# Altium PCB old_PCB_Propu.PcbDoc
Units mil, origin at the board's own origin, x right, y up, seen from the top; angles counter-clockwise.
Board outline 2952.76 x 1755.91 mil, 2 copper layers (Top Layer, Bottom Layer); 37 components, 24 nets, 135 pads, 4 vias.
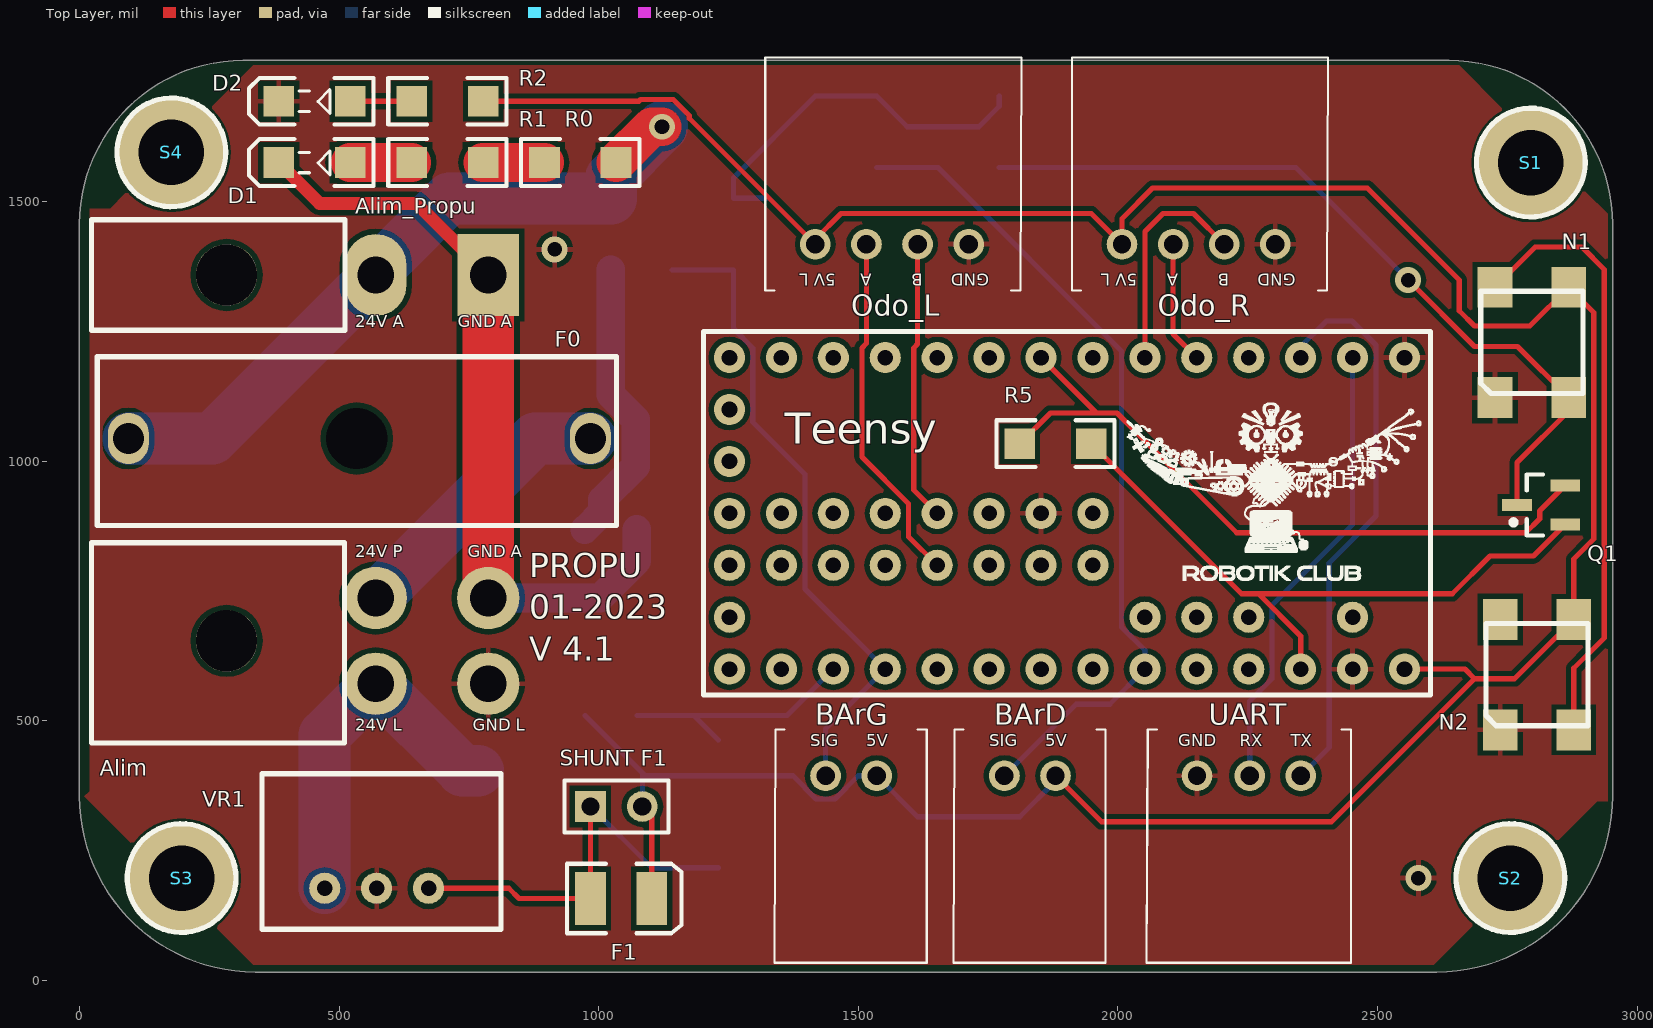
[diagram p0: Top Layer view]
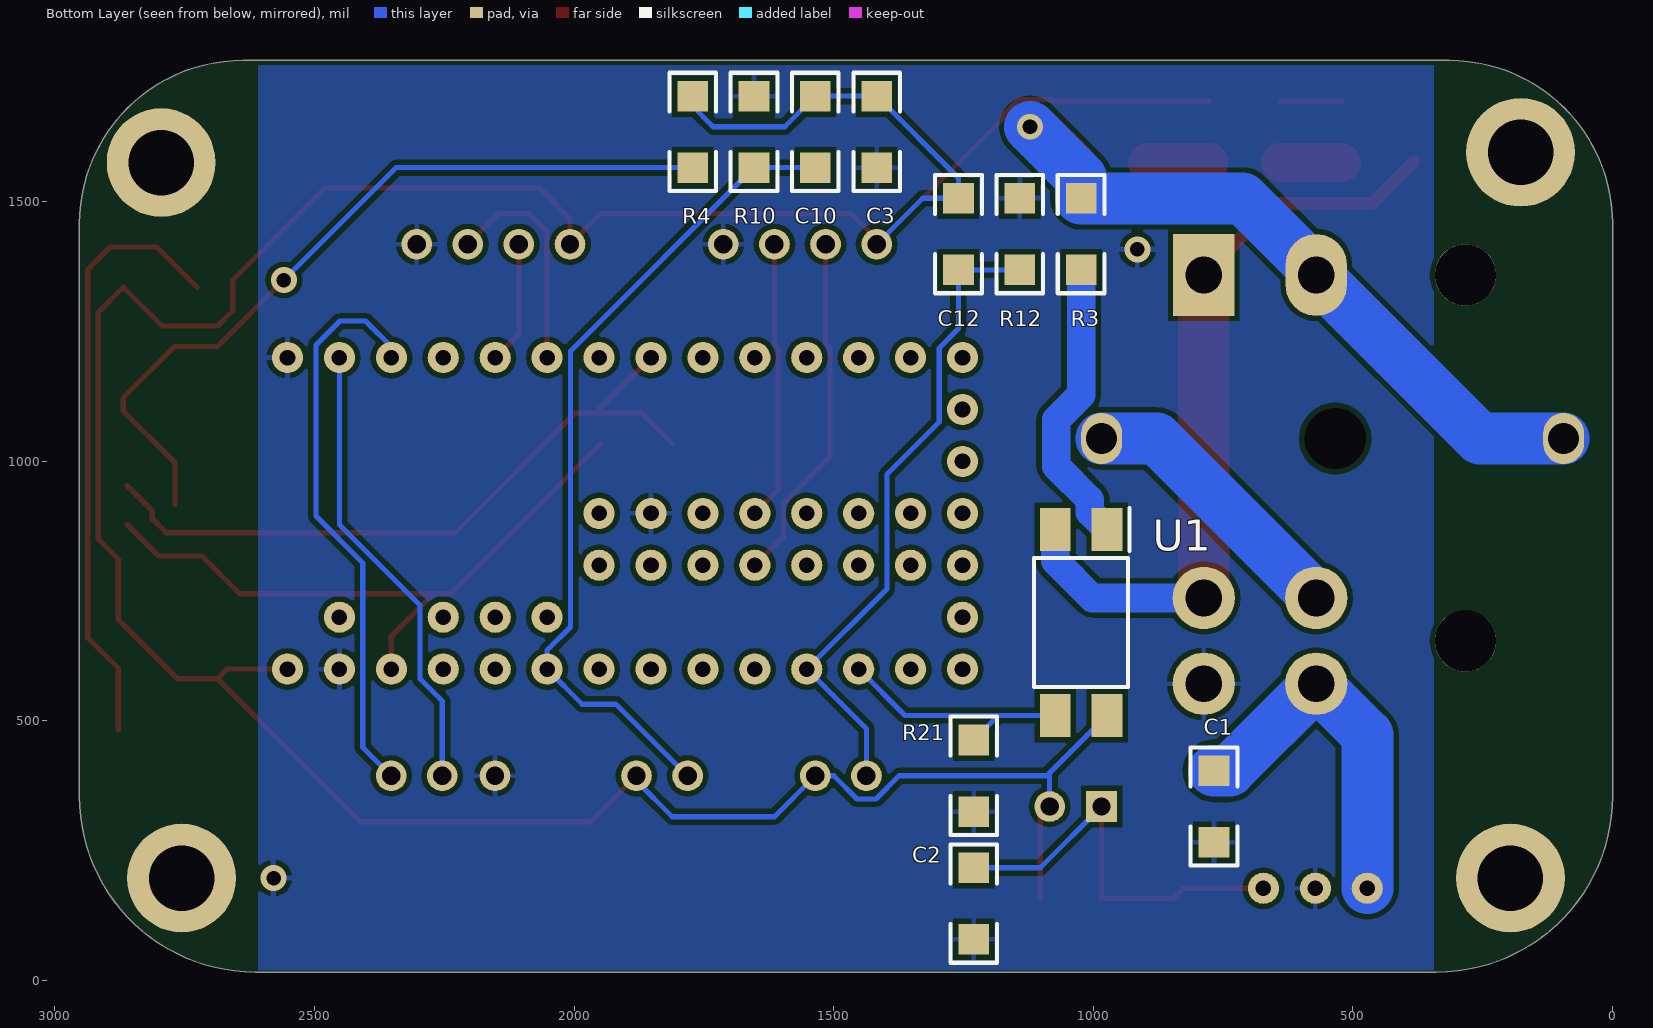
[diagram p1: Bottom Layer view, seen from below]

## Layer stack, top to bottom
Top Solder: solder mask 0.4, Solder Resist, Dk 3.5
Top Layer: signal copper 1.4
Dielectric 1: dielectric 12.6, FR-4, Dk 4.8
Bottom Layer: signal copper 1.4
Bottom Solder: solder mask 0.4, Solder Resist, Dk 3.5

## Board outline
338.58,15.75 2614.17,15.75 ccw(c2614.17,354.33) 2952.76,354.33 2952.76,1456.69 ccw(c2637.8,1456.69) 2637.8,1771.65 314.96,1771.65 ccw(c314.96,1456.69) 0,1456.69 0,354.33 ccw(c338.58,354.33)

## Design rules (kind name [scope] priority, off if disabled: settings)
Clearance [All] p1: gap=10 ignorepadtopadclearanceinfootprint=FALSE
PolygonConnect [All] p1: connectstyle=Relief reliefconductorwidth=10 reliefentries=4 polygonreliefangle="90 Angle" airgapwidth=10
RoutingVias [All] p1: holewidth=28 width=50 viastyle="Through Hole" minholewidth=28 minwidth=50 maxholewidth=28 maxwidth=50
SolderMaskExpansion [All] p1: expansion=4 istentingtop=FALSE
Width [All] p1: maxlimit=100 minlimit=10 preferedwidth=100
30 further rules are at their usual default settings.

## Components (designator, comment, footprint, x,y, rotation, side; value= is the part's Value field where it differs from the comment)
Alim "MinifitJr 2X2H" MOLEX_MINIFITJR_2X2H 570.87,570.87 r270 top
Alim_Propu "MinifitJR 2H" Molex_MiniFitJr_2x1H 570.87,1358.27 r180 top
BArD "JST XH 2" S2B-XH-A 1879.92,393.7 r180 top
BArG "JST XH 2" S2B-XH-A 1535.43,393.7 r180 top
C1 "" "Capacitor 1206" 767.72,334.65 r90 bottom
C2 "(Optinal)" "Capacitor 1206" 1230.32,147.64 r90 bottom
C3 "(Optinal)" "Capacitor 1206" 1417.32,1633.86 r90 bottom
C10 "Cap" "Capacitor 1206" 1535.43,1633.86 r90 bottom
C12 "Cap" "Capacitor 1206" 1259.84,1437.01 r90 bottom
D1 "A" KP-3216SEC 452.76,1574.8 r180 top
D2 "L" KP-3216SEC 452.76,1692.91 r180 top
F0 "10A max" Fuse 984.25,1043.31 r180 top
F1 "500mA" 3.5X2.8X1.9 1043.31,157.48 r0 top
N1 "WS2812C" Neopixel 2726.38,1122.05 r90 top
N2 "WS2812C" Neopixel 2736.22,482.28 r90 top
Odo_L "JST XH 4" S4B-XH-A 1417.32,1417.32 r0 top
Odo_R "JST XH 4" S4B-XH-A 2007.87,1417.32 r0 top
Q1 "MOSFET-N" SOT23_M 2814.96,915.35 r180 top
R0 "Res2" "Resistor 1206" 964.57,1574.8 r180 top
R1 "Res2" "Resistor 1206" 708.66,1574.8 r180 top
R2 "Res2" "Resistor 1206" 708.66,1692.91 r180 top
R3 "Res2" "Resistor 1206" 1023.62,1437.01 r90 bottom
R4 "Res2" "Resistor 1206" 1771.65,1633.86 r90 bottom
R5 "Res2" "Resistor 1206" 1879.92,1033.46 r0 top
R10 "Res2" "Resistor 1206" 1653.54,1633.86 r90 bottom
R12 "Res2" "Resistor 1206" 1141.73,1437.01 r90 bottom
R21 "Res2" "Resistor 1206" 1230.32,393.7 r90 bottom
S1 "Screw M3" "Screw M3" 2795.28,1574.8 r0 top
S2 "Screw M3" "Screw M3" 2755.91,196.85 r0 top
S3 "Screw M3" "Screw M3" 196.85,196.85 r0 top
S4 "Screw M3" "Screw M3" 177.17,1594.49 r0 top
"SHUNT F1" "Header 2" HDR1X2 984.25,334.65 r0 top
Teensy "Teensy 3.2" teensy 1751.97,1299.21 r270 top
U1 "FOD817S" SOP254P1016X385-4N 1023.62,688.98 r270 bottom
UART "JST XH 3" S3B-XH-A 2352.36,393.7 r180 top
VR1 "TSR 1-2405" TRS 472.44,177.17 r180 top
? "" Logo_lowres 2293.31,964.57 r0 top

## Footprints (in the part's own frame and the unit in brackets; to place one, negate y for a bottom-side part, rotate by r counter-clockwise, add the part's x,y. Pads: shape width x height; smd on the part's side, far side on the other; paste and mask are expansions set on the pad)
3.5X2.8X1.9 [mm] "SM LED; 2 C-Bend Leads; Body 3.5 x 2.8 x 1.9 mm, inc leads (LxWxH typ)"
  rect 1.5x2.6 smd: 1(-1.5,0) 2(1.5,0)
  silkscreen extent -2.65,-1.7 2.95,1.7
"Capacitor 1206" [mm]
  rect 1.5x1.5 smd: 1(-1.75,0) 2(1.75,0)
  silkscreen extent -2.89,-1.14 2.89,1.14, body extent -1.98,-0.99 1.98,0.96, height 1.3
Fuse [mm] "Porte-fusible monté sur circuit 10 (UL) A, 6.3 (VDE) A, fusible Cartouche, 893-0574"
  round 2 hole 3: 0(11.43,0)
  oval 2x2.5 hole 1.5: 1(0,0) 2(22.6,0)
  silkscreen extent -1.27,-4 24.13,4.25, body extent -1.27,-4.29 24.13,4.29, height 11.41
HDR1X2 [mm] "Connector; Header; 2 Position"
  rect 1.5x1.5 hole 0.9: 1(0,0)
  round 1.5 hole 0.9: 2(2.54,0)
  silkscreen extent -1.27,-1.27 3.81,1.27
KP-3216SEC [mm]
  rect 1.5x1.5 smd: 1(-1.75,0) 2(1.75,0)
  silkscreen extent -2.89,-1.14 3.2,1.14, body extent -1.7,-0.79 1.5,0.81, height 1.1
Logo_lowres [mil]
  silkscreen extent -276,-194 291,148
Molex_MiniFitJr_2x1H [mm] "Connecteur Molex 2"
  rect 3x4 hole 1.8: 1(-5.5,0)
  oval 3x4 hole 1.8: 2(0,0)
  round 3 hole 3 unplated: 3(7.3,0)
  silkscreen extent 1.5,-2.7 13.9,2.7, body extent -6.03,-2.7 13.9,3.1, height 11.01
MOLEX_MINIFITJR_2X2H [mm] "MOLEX_MINIFITJR_3X2, 39-30-1060"
  round 3.048 hole 1.8: 1(-4.2,5.5) 2(-4.2,0) 3(0,5.5) 4(0,0)
  round 3 hole 3 unplated: 10(-2.1,-7.3)
  silkscreen extent -6.9,-13.9 2.9,-1.52, body extent -6.88,-13.9 3.12,6.03, height 11.4
Neopixel [mm]
  rect 2x1.7 smd: 1(5.4,0) 2(0,0) 3(0,-3.6) 4(5.4,-3.6)
  silkscreen extent 0.2,-4.3 5.2,0.7, body extent 0.19,-4.33 5.19,0.67, height 2
"Resistor 1206" [mm]
  rect 1.5x1.5 smd: 1(-1.75,0) 2(1.75,0)
  silkscreen extent -2.89,-1.14 2.89,1.14, body extent -1.98,-0.95 1.98,0.93, height 0.55
S2B-XH-A [mm]
  round 1.5 hole 0.9: 1(0,0) 2(2.5,0)
  silkscreen extent -2.45,-2.26 5,9.14, body extent -2.41,-2.32 4.99,9.18, height 6.15
S3B-XH-A [mm]
  round 1.5 hole 0.9: 1(0,0) 2(2.5,0) 3(5.08,0)
  silkscreen extent -2.45,-2.26 7.54,9.14, body extent -2.44,-2.27 7.46,9.23, height 6.15
S4B-XH-A [mm]
  round 1.5 hole 0.9: 1(0,0) 2(2.5,0) 3(5,0) 4(7.5,0)
  silkscreen extent -2.45,-2.26 10.08,9.14, body extent -2.44,-2.32 9.96,9.18, height 6.15
"Screw M3" [mm] "M3 iso Screw"
  round 5.32 hole 3.2 unplated: 0(0,0)
  silkscreen extent -2.66,-2.66 2.66,2.66
SOP254P1016X385-4N [mm]
  rect 2.1x1.5 smd: 1(-4.55,1.27) 2(-4.55,-1.27) 3(4.55,-1.27) 4(4.55,1.27)
  silkscreen extent -5.6,-2.3 3.15,2.37, body extent -3.53,-1.4 3.48,1.44, height 2.21
SOT23_M [mm] "SOT23, 3-Leads, Body 2.9x1.3mm, Pitch 0.95mm, Lead Span 2.3mm - Reverse Pinning, IPC Low Density"
  rect 1.45x0.6 smd: 1(1.175,0) 2(-1.175,-0.95) 3(-1.175,0.95)
  silkscreen extent -0.1,-1.5 1.47,1.5, body extent -0.7,-1.5 0.7,1.5, height 1.1
teensy [mil] "Teensy 3.2"
  round 60 hole 30: 0(100,700) 1(100,600) 2(100,500) 3(100,400) 4(100,300) 5(100,200) 6(100,100) 7(100,0) 8(100,-100) 9(100,-200) 10(100,-300) 11(100,-400) 12(100,-500) 13(700,-500) 14(700,-400) 15(700,-300) 16(700,-200) 17(700,-100) 18(700,0) 19(700,100) 20(700,200) 21(700,300) 22(700,400) 23(700,500) 24(400,0) 25(400,-100) 26(400,-200) 27(400,-300) 28(400,-400) 29(500,-400) 30(500,-300) 31(500,-200) 32(500,-100) 33(500,0) 34(600,400) 35(600,300) 36(400,200) 37(500,200) 38(600,500) 39(500,100) 40(400,100) 41(700,600) 42(700,700) 43(700,800) 44(100,800) 45(600,-500) 46(500,-500) 47(400,-500) 48(300,-500) 49(200,-500) 50(600,700)
  silkscreen extent 50,-550 750,850, body extent 48,-550 752,907, height 505
TRS [mil]
  round 60 hole 30: 1(0,0) 2(-100,0) 3(-200,0)
  silkscreen extent -340,-220 121,79, body extent -341,-218 120,80, height 398

## Part data
Alim: library part "Header 2X2H", "Header, 2-Pin, Dual row, Right Angle"
Alim_Propu BArD BArG: library part "Header 2", "Header, 2-Pin"
C1 C2 C3: library part Cap, "Capacitor"
C10 C12: "Capacitor"
D1 D2: library part LED2, "Typical RED, GREEN, YELLOW, AMBER GaAs LED"
F0: library part "Fuse 2", "Main Fuse"
F1: library part "Fuse 2", "Fuse"
N1 N2: "Intelligent control LED"
Odo_L Odo_R: library part "Header 4H", "Molex SPOX 4x1H"
Q1: "N-Channel MOSFET"
R0 R1 R2 R3 R4 R5 R10 R12 R21: "Resistor"
"SHUNT F1": "Header, 2-Pin"
Teensy: library part teensy3.2
U1: library part Optoisolator1, "4-Pin Phototransistor Optocoupler"
UART: library part "Header 3H", "Header, 3-Pin, Right Angle"
VR1: library part "Volt Reg", "Voltage Regulator"

## Via types
v1: diameter 50, hole 28, Top Layer to Bottom Layer, 4 vias

## Nets (pads, with @x,y where several pads share a name; then routed paths per layer and width w, separated by ;. In a path a pad name is that pad's centre, name@x,y a point inside that pad or via, vN(x,y) a via of type N, cw(c..) or ccw(c..) an arc to the next point about the centre after c; other vN are vias at no path point)
3V_L: Q1.3 R5.2 Teensy.41 | length 1266.3
  Top Layer w10: R5.2 2238.07,744.21 2270.61,744.21 ; Teensy.41 2351.97,662.85 2270.61,744.21 ; Q1.3 2800.2,816.93 2716.54,816.93 2643.82,744.21 2270.61,744.21
5V_L: "SHUNT F1.2" BArD.1 BArG.1 C3.2 C10.2 C12.2 F1.2 N1.4 N2.4 Odo_L.1 Odo_R.1 R2.1 R4.2 Teensy.43 U1.4 | length 6711.9
  Top Layer w10: R2.1 1077.33,1692.91 1080.62,1696.2 1143.79,1696.2 1174.55,1665.45 1174.55,1660.1 Odo_L.1 1417.32,1427.17 1466.54,1476.38 1948.82,1476.38 Odo_R.1 2007.87,1466.54 2066.93,1525.59 2480.31,1525.59 2657.48,1348.43 2657.48,1289.37 2687.01,1259.84 2793.31,1259.84 N1.4 2916.57,1286.18 2916.57,849.65 2877.95,811.02 N2.4 2763.78,580.71 2687.01,580.71 ; 1084.25,334.65 1102.36,316.54 F1.2 ; BArD.1 1968.5,305.12 2411.42,305.12 2687.01,580.71 ; Teensy.43 2668.5,599.21 2687.01,580.71
  Bottom Layer w10: U1.4 1084.25,399.21 ; 1084.25,334.65 1084.25,399.21 ; Odo_L.1 1328.74,1505.91 C12.2 1259.84,1545.28 C3.2 C10.2 1594.49,1643.7 1732.28,1643.7 1771.65,1683.07 R4.2 ; BArD.1 1879.92,383.86 1811.02,314.96 1614.17,314.96 BArG.1 1499.98,393.7 1455.45,349.17 1418.56,349.17 1374.04,393.7 1089.76,393.7 1084.25,399.21
24V_A: Alim_Propu.2 F0.2 R0.1 R3.2 | length 1459.4
  Top Layer w10: Alim_Propu.2@531.5,1358.27 Alim_Propu.2
  Top Layer w75: R0.1 1102.36,1643.7 v1(1122.05,1643.7)
  Bottom Layer w100: F0.2 255.91,1043.31 Alim_Propu.2 570.87,1364.38 712.39,1505.91 R3.2 1023.62,1545.28 v1(1122.05,1643.7)
24V_L: Alim.4 C1.2 VR1.1 | length 700.6
  Bottom Layer w100: VR1.1 472.44,472.44 Alim.4 738.19,403.54 C1.2
24V_P: Alim.2 F0.1 | length 540.6
  Bottom Layer w100: Alim.2 877.95,1043.31 F0.1
GND_A: Alim.1 Alim_Propu.1 D1.2 U1.2 | length 1491.4
  Top Layer w25: D1.2 462.6,1496.06 649.61,1496.06 Alim_Propu.1
  Top Layer w100: Alim.1 Alim_Propu.1
  Bottom Layer w55: Alim.1 1001.97,736.22 1073.62,807.87 U1.2
GND_L: Alim.3 C1.1 C2.1 C3.1 D2.2 N1.2 N2.2 Odo_L.4 Odo_R.4 R10.2 R12.2 R21.1 Teensy.40 Teensy.42 Teensy.44 UART.3 VR1.2
  other v1: 2578.74,196.85 915.35,1407.48
NetC2_2: "SHUNT F1.1" C2.2 F1.1 VR1.3 | length 792.1
  Top Layer w10: VR1.3 826.77,177.17 846.46,157.48 F1.1 984.25,334.65
  Bottom Layer w10: 984.25,334.65 1102.36,216.54 C2.2
NetD1_1: D1.1 R1.2 | length 118.1
  Top Layer w75: D1.1 R1.2
NetD2_1: D2.1 R2.2 | length 118.1
  Top Layer w10: D2.1 R2.2
NetN1_2: N1.1 N2.3 | length 1171
  Top Layer w10: N1.1 2803.62,1411.89 2893.7,1411.89 2936.57,1369.02 2936.57,659.46 2877.95,600.83 N2.3
NetN1_4: N1.3 Q1.1 R4.1 | length 1527.8
  Top Layer w10: v1(2559.06,1348.43) 2687.01,1220.47 2769.69,1220.47 N1.3 2868.11,1096.46 2768.7,997.05 Q1.1
  Bottom Layer w10: R4.1 2342.52,1564.96 v1(2559.06,1348.43)
NetR0_2: R0.2 R1.1 | length 118.1
  Top Layer w75: R1.1 R0.2
NetR3_1: R3.1 U1.1 | length 560.6
  Bottom Layer w55: U1.1 1006.59,901.08 1006.59,924.98 1071.75,990.14 1071.75,1079.55 1023.62,1127.68 R3.1
T_BUMP_ARD: BArD.2 C10.1 R10.1 Teensy.21 | length 1604.5
  Bottom Layer w10: C10.1 R10.1 2006.97,1211.54 2006.97,680.57 2051.97,635.57 Teensy.21 1984.25,531.5 1919.29,531.5 BArD.2
T_BUMP_ARG: BArG.2 C12.1 R12.1 Teensy.16 | length 1261.1
  Bottom Layer w10: R12.1 C12.1 1259.84,1254.98 1296.97,1217.85 1296.97,1075.08 1397.64,974.41 1397.64,753.54 Teensy.16 1437.01,484.25 BArG.2
T_NEOPIXEL: Q1.2 R5.1 Teensy.6 | length 1367.8
  Top Layer w10: R5.1 1870.08,1092.52 1958.66,1092.52 ; Teensy.6 1958.66,1092.52 ; Q1.2 2812.24,903.78 2812.24,888.54 2785.43,861.73 2228.82,861.73 1998.03,1092.52 1958.66,1092.52
T_ODO_L_A: Odo_L.2 Teensy.32 | length 681.8
  Top Layer w10: Odo_L.2 1515.75,1226.63 1506.97,1217.85 1506.97,1007.85 1596.97,917.85 1596.97,854.21 Teensy.32
T_ODO_L_B: Odo_L.3 Teensy.25 | length 539.7
  Top Layer w10: Odo_L.3 1614.17,1225.06 1606.97,1217.85 1606.97,944.21 Teensy.25
T_ODO_R_A: Odo_R.2 Teensy.3 | length 237
  Top Layer w10: Odo_R.2 2106.3,1244.88 Teensy.3
T_ODO_R_B: Odo_R.3 Teensy.4 | length 434.3
  Top Layer w10: Teensy.4 2052.4,1199.21 2052.4,1442.17 2086.61,1476.38 2145.67,1476.38 Odo_R.3
T_RX1: Teensy.0 UART.2 | length 887.5
  Bottom Layer w10: UART.2 2253.94,537.54 2296.97,580.57 2296.97,722.17 2451.97,877.17 Teensy.0
T_SENSE_PROPU: R21.2 Teensy.15 U1.3 | length 482.2
  Bottom Layer w10: U1.3 1183.07,509.84 ; R21.2 1183.07,509.84 ; Teensy.15 1362.6,509.84 1183.07,509.84
T_TX1: Teensy.1 UART.1 | length 1095.2
  Bottom Layer w10: Teensy.1 2351.97,1220.08 2401.57,1269.68 2450.79,1269.68 2496.97,1223.5 2496.97,893.88 2406.97,803.88 2406.97,448.31 UART.1
pads on no net: Alim.10 Alim_Propu.3 F0.0 N2.1 S1.0 S2.0 S3.0 S4.0 Teensy.2 Teensy.5 Teensy.7 Teensy.8 Teensy.9 Teensy.10 Teensy.11 Teensy.12 Teensy.13 Teensy.14 Teensy.17 Teensy.18 Teensy.19 Teensy.20 Teensy.22 Teensy.23 Teensy.24 Teensy.26 Teensy.27 Teensy.28 Teensy.29 Teensy.30 Teensy.31 Teensy.33 Teensy.34 Teensy.35 Teensy.36 Teensy.37 Teensy.38 Teensy.39 Teensy.45 Teensy.46 Teensy.47 Teensy.48 Teensy.49 Teensy.50

## Polygon pours and split planes (outlines as drawn)
GND_L on Bottom Layer "GND_plane" (solid, remove dead copper, pour order 0): 344.49,19.69 2608.27,19.69 2608.27,1761.81 344.49,1761.81 344.49,29.53
GND_L on Top Layer "GND_plane" (solid, remove dead copper, pour order 2): 334.65,1761.81 59.06,1486.22 19.69,1486.22 19.69,364.17 9.84,354.33 334.65,29.53 344.49,29.53 2608.27,29.53 2923.23,344.49 2942.91,344.49 2942.91,1476.38 2657.48,1761.81 2647.64,1761.81 334.65,1761.81

## Silkscreen, mask and mechanical layers (free items; w line width, h text height)
Top Overlay:
  text "5V L" at 1456.69,1368.11 h40 r180
  text "A" at 1525.59,1368.11 h40 r180
  text "B" at 1624.02,1368.11 h40 r180
  text "GND" at 1751.97,1368.11 h40 r180
  text "5V L" at 2037.4,1368.11 h40 r180
  text "A" at 2116.14,1368.11 h40 r180
  text "B" at 2214.57,1368.11 h40 r180
  text "GND" at 2342.52,1368.11 h40 r180
  text "24V A" at 531.5,1250 h40
  text "GND A" at 728.35,1250 h40
  text "24V P" at 531.5,807.09 h40
  text "GND A" at 748.03,807.09 h40
  text "PROPU / 01-2023 / V 4.1" at 866.14,600.39 h80
  text "24V L" at 531.5,472.44 h40
  text "GND L" at 757.87,472.44 h40
  text "SIG" at 1407.48,442.91 h40
  text "5V" at 1515.75,442.91 h40
  text "SIG" at 1751.97,442.91 h40
  text "5V" at 1860.24,442.91 h40
  text "GND" at 2116.14,442.91 h40
  text "RX" at 2234.25,442.91 h40
  text "TX" at 2332.68,442.91 h40
Mechanical 1:
  lines w10: 314.96,19.53 cw(c314.96,334.65) 0,344.49 0,1476.38 cw(c305.12,1466.54) 295.28,1771.65 2608.02,1771.65 ; 315.11,19.69 2608.27,19.69 ccw(c2627.95,344.49) 2953.35,344.49 ; 2608.8,1772.43 cw(c2627.95,1446.85) 2952.76,1476.38 2952.76,344.49